# Altium PCB Beagle93.PCBDOC (part 5 of 7)
Units mm, origin at the board's own origin, x right, y up, seen from the top; angles counter-clockwise.
Board outline 86.3 x 85.3 mm, 6 copper layers (TopLayer, MidLayer1, MidLayer2, SignalLayer1, Internal Plane 1, BottomLayer), stack 1.528 mm thick; 387 components, 325 nets, 1796 pads, 884 vias.
Unrouted connection lines stored in the file: 7.
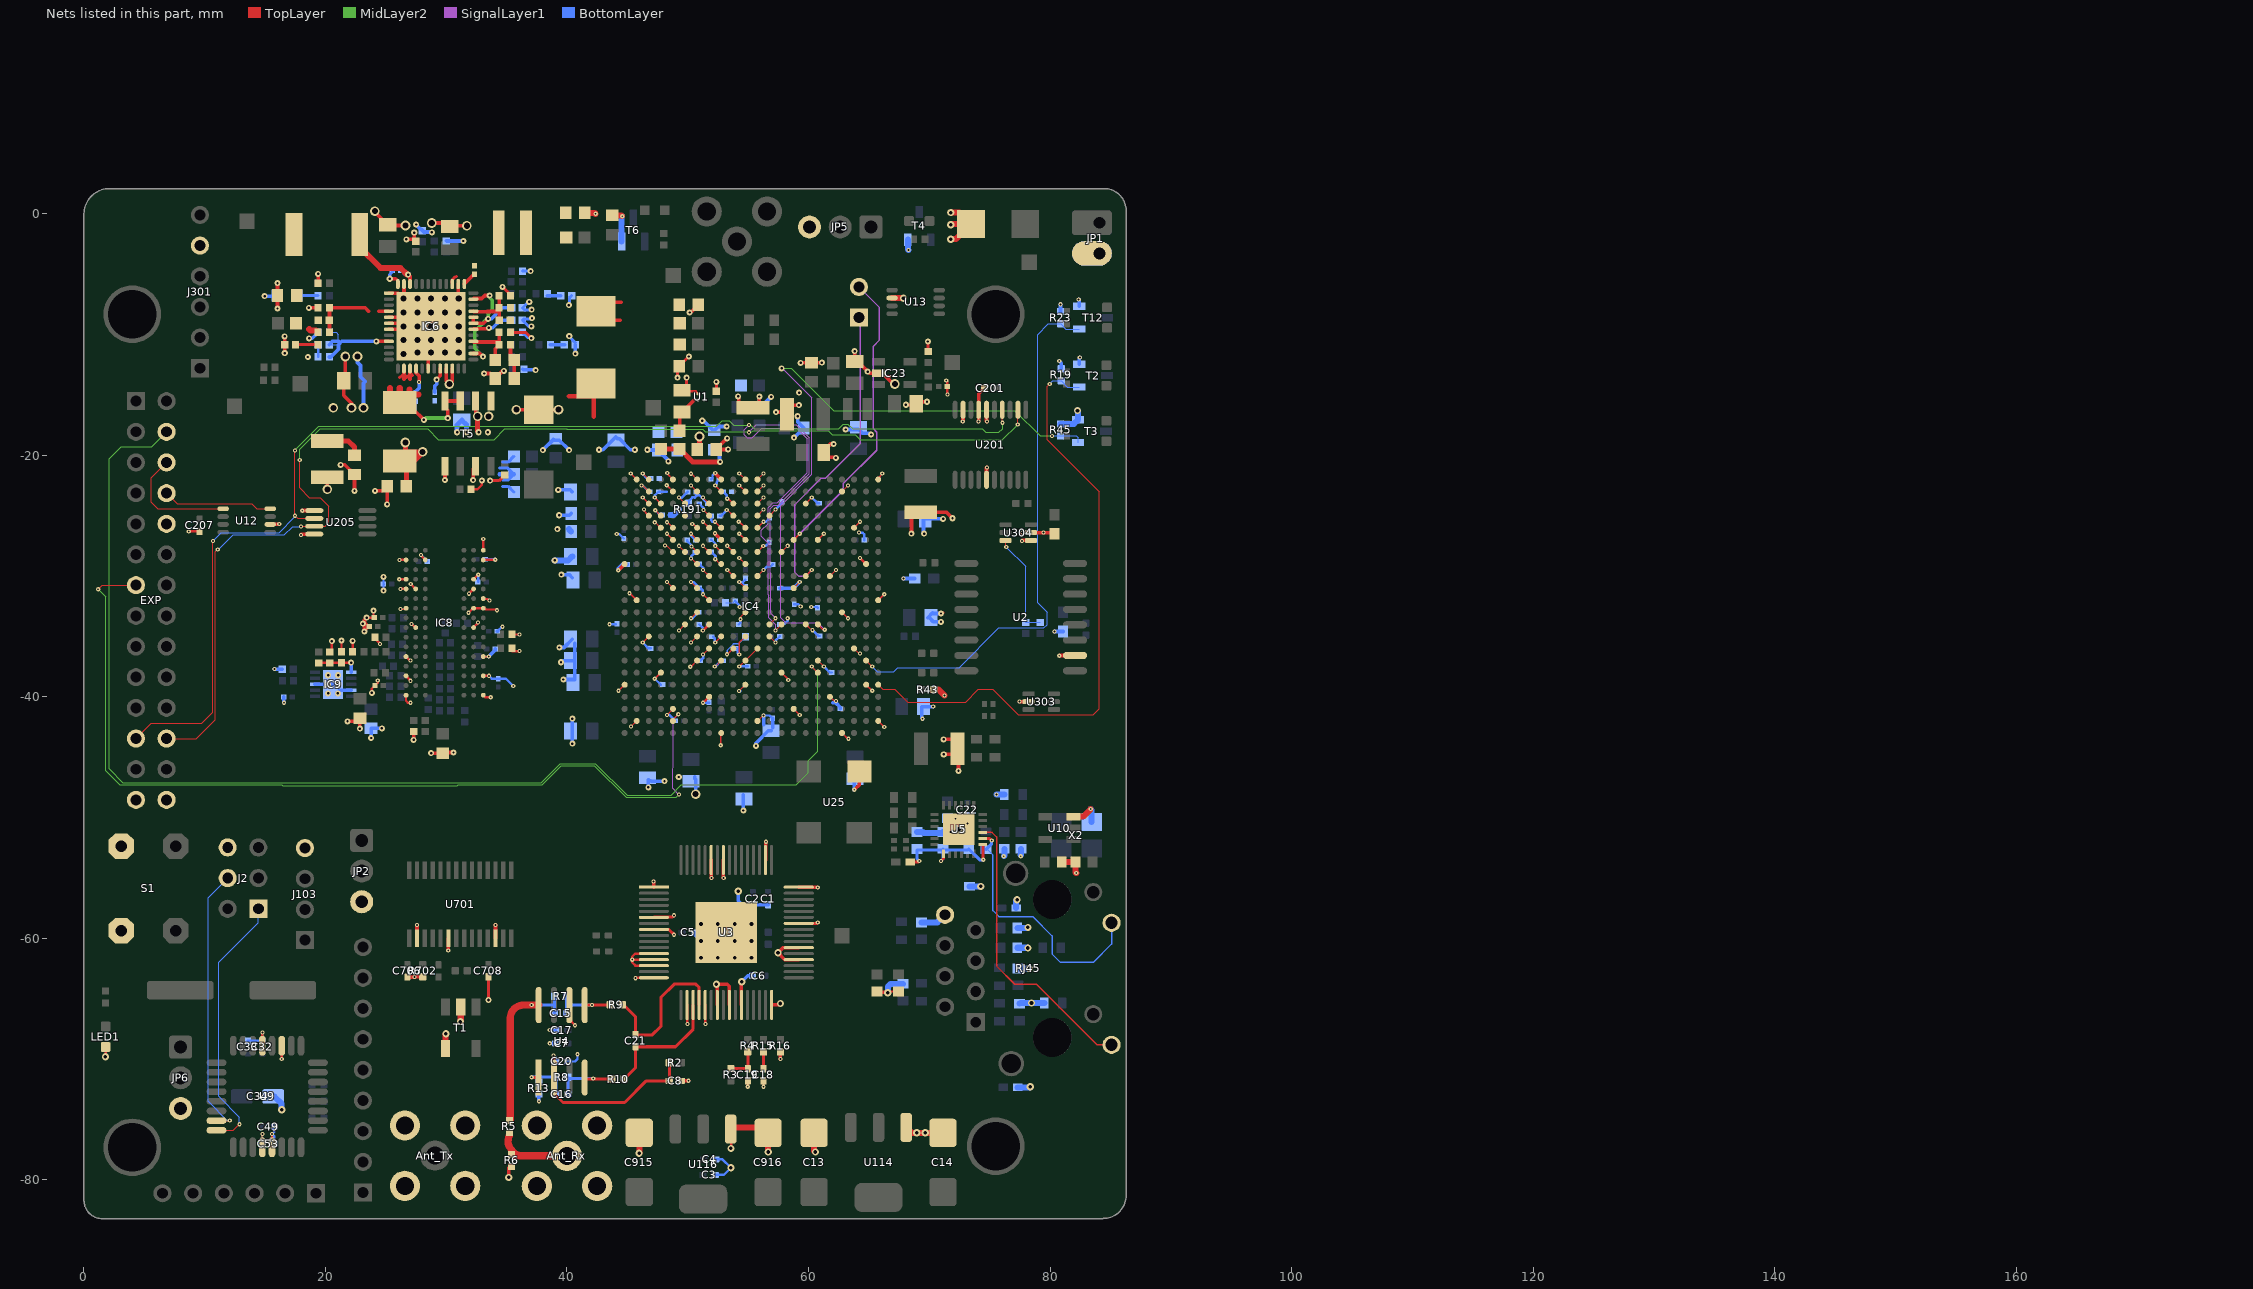
[diagram p9: the nets of this part, all layers, seen from the top]

## Via types
v1: diameter 0.35, hole 0.15, TopLayer to BottomLayer, tented both sides, 544 vias
v2: diameter 0.5, hole 0.2, TopLayer to BottomLayer, tented both sides, 183 vias
v3: diameter 0.6, hole 0.3, TopLayer to BottomLayer, tented both sides, 65 vias
v4: diameter 0.8, hole 0.5, TopLayer to BottomLayer, tented both sides, 53 vias
v5: diameter 0.8, hole 0.5, TopLayer to BottomLayer, 25 vias
v6: diameter 0.61, hole 0.305, TopLayer to BottomLayer, 12 vias
v7: diameter 0.508, hole 0.254, TopLayer to BottomLayer, 1 vias
v8: diameter 0.635, hole 0.381, TopLayer to BottomLayer, 1 vias

## Nets (pads, with @x,y where several pads share a name; then routed paths per layer and width w, separated by ;. In a path a pad name is that pad's centre, name@x,y a point inside that pad or via, vN(x,y) a via of type N, cw(c..) or ccw(c..) an arc to the next point about the centre after c; other vN are vias at no path point) (continued)
GND: Ant_Rx.2 Ant_Tx.2 C1.1 C2.1 C3.1 C4.1 C5.1 C6.1 C7.1 C8.1 C9.1 C10.1 C13.2 C14.2 C17.1 C18.1 C19.1 C20.1 C22.2 C23.1 C24.1 C25.1 C26.1 C27.1 C28.1 C29.1 C30.1 C31.1 C32.2 C33.2 C34.2 C35.1 C36.2 C37.1 C38.1 C39.1 C49.2 C52.1 C53.2 C54.1 C55.1 C56.1 C57.1 C58.1 C59.1 C60.1 C61.1 C62.1 C63.1 C64.1 C65.1 C66.1 C67.1 C68.1 C69.1 C70.1 C71.1 C72.1 C73.1 C74.1 C75.1 C76.1 C77.1 C78.1 C79.1 C80.1 C81.1 C82.1 C83.1 C84.1 C85.1 C86.1 C87.1 C88.1 C89.1 C90.1 C91.2 C92.1 C93.1 C94.1 C95.1 C96.1 C97.1 C98.1 C99.1 C100.1 C101.1 C102.1 C103.1 C104.1 C105.1 C106.1 C107.1 C108.1 C109.1 C110.1 C111.1 C112.1 C113.1 C114.1 C115.1 C116.1 C117.1 C118.1 C119.1 C120.1 C121.1 C122.1 C123.1 C124.1 C125.1 C127.1 C128.1 C129.1 C130.1 C131.1 C132.1 C133.1 C135.1 C136.1 C137.1 C138.1 C141.1 C142.1 C145.1 C146.1 C147.1 C148.1 C149.1 C152.1 C153.1 C154.1 C156.1 C157.1 C158.1 C159.1 C160.1 C161.1 C162.1 C163.1 C164.1 C165.1 C166.1 C167.1 C168.1 C169.1 C170.1 C171.1 C172.1 C173.1 C174.1 C175.1 C176.1 C177.1 C201.2 C207.1 C229.1 C230.1 C231.1 C232.1 C233.1 C235.1 C240.1 C706.1 C708.1 C915.2 C916.2 D1.2 EXP.27 EXP.28 FB8.1 FB9.1 IC4.A2 IC4.A3 IC4.A5 IC4.A7 IC4.A9 IC4.A11 IC4.A12 IC4.A22 IC4.AA2 IC4.AA12 IC4.AA22 IC4.AB9 IC4.AB19 IC4.B3 IC4.B12 IC4.B19 IC4.C3 IC4.C6 IC4.C10 IC4.C12 IC4.C16 IC4.D3 IC4.D4 IC4.D8 IC4.D12 IC4.D13 IC4.E4 IC4.E5 IC4.E7 IC4.E9 IC4.E11 IC4.E12 IC4.E20 IC4.F5 IC4.F11 IC4.F17 IC4.G5 IC4.G6 IC4.G7 IC4.G8 IC4.G9 IC4.G10 IC4.G12 IC4.G14 IC4.H1 IC4.H7 IC4.H9 IC4.H11 IC4.H21 IC4.J8 IC4.J10 IC4.J12 IC4.J18 IC4.K5 IC4.K7 IC4.K11 IC4.K15 IC4.L2 IC4.L8 IC4.L22 IC4.M7 IC4.M11 IC4.M19 IC4.N6 IC4.N8 IC4.N16 IC4.P3 IC4.P7 IC4.P9 IC4.P11 IC4.P13 IC4.R8 IC4.R10 IC4.R12 IC4.R20 IC4.T7 IC4.T9 IC4.T11 IC4.T17 IC4.U4 IC4.U14 IC4.V1 IC4.V11 IC4.V21 IC4.W8 IC4.W18 IC4.Y5 IC4.Y15 IC6.2 IC6.11 IC6.13 IC6.17 IC6.18 IC6.19 IC6.30 IC6.49 IC8.A9 IC8.B1 IC8.B3 IC8.B9 IC8.D1 IC8.D8 IC8.E1 IC8.E2 IC8.E8 IC8.F9 IC8.G1 IC8.G8 IC8.G9 IC8.J2 IC8.J8 IC8.M1 IC8.M9 IC8.P1 IC8.P9 IC8.T1 IC8.T9 IC9.4 IC9.8 IC9.11 IC23.2 J2.6 J103.4 J301.5 JP1.2 JP2.3 JP5.3 JP6.3 L5.1 LED1.K R6.2 R13.2 R16.2 R19.1 R23.1 R27.1 R32.1 R37.1 R43.1 R45.1 R49.2 R54.2 R56.2 R60.1 R65.1 R66.2 R67.1 R68.1 R72.1 R77.1 R81.1 R84.1 R85.1 R93.1 R122.1 R123.1 R124.1 R125.1 R126.1 R129.1 R702.2 RJ45.8 S1.2 T1.2 T1.6 T2.2 T3.2 T4.2 T5.1 T5.3 T6.2 T12.2 U1.A1 U2.10 U3.0 U3.1 U3.6 U3.8 U3.12 U3.13 U3.14 U3.16 U3.18 U3.21 U3.23 U3.25 U3.27 U3.32 U3.36 U3.38 U3.42 U3.48 U3.50 U3.57 U3.59 U4.6 U5.25 U9.3 U9.5 U9.21 U10.3 U12.2 U13.2 U25.2 U114.1 U116.1 U201.6 U201.7 U201.9 U201.15 U205.1 U205.4 U303.2 U304.1 U304.2 U701.16 U701.20 U701.26 X2.2 | length 448.6
  TopLayer w0.125: v1(26.21,-32.715) 26.604,-32.715 IC8.G1@26.667,-32.651 ; IC8.M9@33.067,-36.651 v1(33.517,-36.651) ; v1(44.25,-29.5) v1@44.257,-29.5 ; v1(44.272,-39.485) IC4.V1@44.772,-38.985 ; v1(45.185,-31.414) 45.201,-31.414 IC4.L2@45.772,-31.985 ; v1(45.272,-21.485) IC4.A2@45.772,-21.985 ; v1(45.311,-42.449) 45.311,-42.446 IC4.AA2@45.772,-41.985 ; v1(46.272,-35.485) IC4.P3@46.772,-34.985 ; v1@46.272,-24.485 IC4.D3@46.772,-24.985 ; v1(46.272,-23.485) IC4.C3@46.772,-23.985 ; v1@46.272,-22.485 IC4.B3@46.772,-22.985 ; v1(46.272,-21.485) IC4.A3@46.772,-21.985 ; v1(47.261,-25.539) 47.326,-25.539 IC4.E4@47.772,-25.985 ; v1(47.272,-38.485) IC4.U4@47.772,-37.985 ; v1(47.311,-24.539) 47.326,-24.539 IC4.D4@47.772,-24.985 ; v1(48.111,-27.46) 48.247,-27.46 IC4.G5@48.772,-27.985 ; v1(48.272,-41.485) IC4.Y5@48.772,-40.985 ; v1(48.272,-30.485) IC4.K5@48.772,-30.985 ; v1(48.272,-26.485) IC4.F5@48.772,-26.985 ; v1(48.272,-25.535) 48.322,-25.535 IC4.E5@48.772,-25.985 ; v1(48.3,-21.45) 48.3,-21.513 IC4.A5@48.772,-21.985 ; v1(49.272,-34.485) IC4.N6@49.772,-33.985 ; v1(49.272,-27.485) IC4.G6@49.772,-27.985 ; v1(49.272,-23.485) IC4.C6@49.772,-23.985 ; v1(50.213,-37.496) 50.261,-37.496 IC4.T7@50.772,-36.985 ; v1(50.261,-21.514) 50.301,-21.514 IC4.A7@50.772,-21.985 ; v1(50.272,-35.485) IC4.P7@50.772,-34.985 ; v1(50.272,-33.485) IC4.M7@50.772,-32.985 ; v1(50.272,-30.485) IC4.K7@50.772,-30.985 ; v1(50.275,-28.525) 50.312,-28.525 IC4.H7@50.772,-28.985 ; v1(50.311,-27.539) 50.326,-27.539 IC4.G7@50.772,-27.985 ; v1(50.372,-25.685) 50.372,-25.585 IC4.E7@50.772,-25.985 ; v1(51.272,-36.485) IC4.R8@51.772,-35.985 ; v1(51.272,-31.485) IC4.L8@51.772,-31.985 ; v1(51.272,-29.485) IC4.J8@51.772,-29.985 ; v1(51.272,-27.485) IC4.G8@51.772,-27.985 ; v1(51.312,-24.525) IC4.D8@51.772,-24.985 ; v1(52.236,-37.465) 52.292,-37.465 IC4.T9@52.772,-36.985 ; v1(52.261,-25.496) 52.75,-25.985 IC4.E9@52.772,-25.985 ; v1(52.272,-35.485) IC4.P9@52.772,-34.985 ; v1(52.272,-28.585) 52.672,-28.985 IC4.H9@52.772,-28.985 ; v1(52.272,-27.485) IC4.G9@52.772,-27.985 ; v1@52.275,-21.488 v1(52.275,-21.45) ; v1(52.728,-43.998) 52.728,-43.029 IC4.AB9@52.772,-42.985 ; v1(53.261,-36.465) 53.292,-36.465 IC4.R10@53.772,-35.985 ; v1(53.272,-29.485) IC4.J10@53.772,-29.985 ; v1(53.272,-27.485) IC4.G10@53.772,-27.985 ; v1(53.275,-23.575) 53.362,-23.575 IC4.C10@53.772,-23.985 ; v1(54.252,-39.503) 54.254,-39.503 IC4.V11@54.772,-38.985 ; v1(54.261,-36.49) 54.261,-35.496 IC4.P11@54.772,-34.985 ; v1(54.272,-37.485) IC4.T11@54.772,-36.985 IC4.R12@55.772,-35.985 ; v1(54.272,-30.485) IC4.K11@54.772,-30.985 ; v1(54.272,-28.485) IC4.H11@54.772,-28.985 ; v1(54.272,-26.485) IC4.F11@54.772,-26.985 ; v1@54.272,-25.485 IC4.E11@54.772,-25.985 ; v1(54.272,-21.485) IC4.A11@54.772,-21.985 ; v1(54.361,-33.565) 54.361,-33.446 54.336,-33.421 IC4.M11@54.772,-32.985 ; IC4.AA12@55.772,-41.985 56.222,-41.535 v1(56.284,-41.535) ; IC4.J12@55.772,-29.985 v1(56.272,-29.485) ; IC4.G12@55.772,-27.985 56.25,-27.507 v1(56.25,-27.5) ; IC4.E12@55.772,-25.985 v1(56.272,-25.485) ; IC4.D12@55.772,-24.985 v1(56.272,-24.485) ; IC4.C12@55.772,-23.985 v1(56.272,-23.485) ; IC4.B12@55.772,-22.985 v1(56.272,-22.485) ; IC4.A12@55.772,-21.985 v1(56.272,-21.485) ; IC4.P13@56.772,-34.985 v1(57.272,-35.485) ; IC4.D13@56.772,-24.985 v1(57.272,-24.485) ; IC4.U14@57.772,-37.985 58.316,-38.529 v1(58.316,-38.588) ; IC4.G14@57.772,-27.985 v1(58.272,-27.485) ; IC4.Y15@58.772,-40.985 v1(59.272,-41.485) ; IC4.K15@58.772,-30.985 v1(59.272,-30.485) ; IC4.N16@59.772,-33.985 60.252,-34.465 v1(60.336,-34.465) ; IC4.C16@59.772,-23.985 v1(60.272,-23.485) ; IC4.T17@60.772,-36.985 v1(61.272,-37.485) ; IC4.F17@60.772,-26.985 v1(61.272,-26.485) ; IC4.W18@61.772,-39.985 62.128,-40.341 v1(62.278,-40.341) ; IC4.J18@61.772,-29.985 v1(62.272,-29.485) ; IC4.AB19@62.772,-42.985 63.252,-43.465 v1(63.311,-43.465) ; IC4.M19@62.772,-32.985 v1(63.272,-33.485) ; IC4.B19@62.772,-22.985 v1(63.272,-22.485) ; IC4.R20@63.772,-35.985 64.177,-36.39 v1(64.261,-36.39) ; IC4.E20@63.772,-25.985 v1(64.272,-25.485) ; IC4.V21@64.772,-38.985 v1(65.272,-39.485) ; IC4.AA22@65.772,-41.985 v1(66.272,-42.485) ; IC4.L22@65.772,-31.985 v1(66.272,-31.485) ; IC4.A22@65.772,-21.985 65.772,-21.878 66.111,-21.539 v1(66.111,-21.485)
  TopLayer w0.2: v3(1.772,-69.785) 1.791,-69.766 LED1.K@1.791,-68.984 ; v1(8.672,-26.285) C207.1@9.572,-26.285 ; U9.5@14.772,-68.885 v1(14.772,-67.785) ; U9.21@15.572,-77.285 v1(15.572,-76.185) ; v1(16.372,-69.985) U9.3@16.372,-68.885 ; R129.1@20.35,-36.255 20.525,-36.08 v2(20.525,-35.375) ; C175.1@21.325,-36.25 v2(21.325,-35.325) ; R124.1@22.255,-36.25 v2(22.255,-35.345) ; v2(23.1,-33.925) 23.225,-33.925 23.375,-33.925 C168.1@23.625,-34.175 v2(23.225,-34.575) ; v2(23.4,-33.425) C162.1@24.025,-33.425 23.975,-33.375 v2(23.975,-32.85) ; v2(23.834,-39.665) 23.834,-39.32 24.102,-39.052 C167.1@24.1,-39.05 24.33,-38.82 v1(24.33,-38.635) v1@24.34,-38.625 ; R126.1@24.08,-35.05 24.08,-35.155 24.509,-35.584 v1(24.509,-35.615) ; v1(26.101,-30.251) IC8.D1@26.667,-30.251 ; v1(26.126,-28.651) IC8.B1@26.667,-28.651 ; v1(26.217,-31.051) IC8.E1@26.667,-31.051 ; IC8.P1@26.636,-38.22 26.631,-38.225 27.035,-38.629 v1(27.035,-38.665) ; IC8.P1@26.661,-38.245 IC8.P1@26.667,-38.251 ; IC8.T1@26.667,-39.851 26.667,-40.314 26.828,-40.475 v1(27.05,-40.475) ; IC8.M1@26.667,-36.651 26.991,-36.975 v1(27.048,-36.975) ; v1(27.066,-30.65) IC8.E2@27.467,-31.051 ; v1(27.124,-33.965) 27.133,-33.975 27.164,-33.975 27.44,-34.251 IC8.J2@27.467,-34.251 ; v1(27.91,-28.239) 27.91,-28.294 IC8.B3@28.267,-28.651 ; v3@29.93,-67.927 v3(29.972,-67.885) ; v1(31.85,-33.025) 32.224,-32.651 IC8.G8@32.267,-32.651 IC8.G9@33.067,-32.651 33.073,-32.645 33.169,-32.645 33.278,-32.754 34.15,-32.754 v1(34.21,-32.815) ; v1(31.875,-31.443) IC8.E8@32.267,-31.051 ; R49.2@32.07,-22.8 32.575,-22.8 32.95,-22.425 v2(32.95,-22.075) v2@32.875,-22.075 ; IC8.J8@32.267,-34.251 32.267,-34.229 32.635,-33.861 v1(32.635,-33.84) ; IC8.D8@32.267,-30.251 v1(32.643,-29.875) ; IC8.P9@33.067,-38.251 v1(33.549,-38.251) ; IC8.F9@33.067,-31.851 33.105,-31.889 33.419,-31.889 33.54,-32.01 v1(33.581,-32.01) ; IC8.A9@33.067,-27.851 v1(33.067,-26.908) ; IC8.B9@33.079,-28.639 v1(34.06,-28.639) ; IC8.T9@33.116,-39.9 33.231,-40.015 v1(33.685,-40.015) ; R125.1@35.445,-36.2 v1(36.075,-36.2) ; R122.1@35.445,-34.825 v1(36.075,-34.825) ; U4.6@40.196,-65.512 40.196,-66.709 v1(40.672,-67.185) ; v1(45.672,-63.285) 45.705,-63.252 U3.16@47.195,-63.252 ; U3.14@47.195,-62.252 45.669,-62.252 45.405,-61.988 v1(45.405,-61.752) ; U3.13@47.195,-61.752 v1(45.405,-61.752) ; U3.12@47.195,-61.252 45.655,-61.252 45.405,-61.502 v1(45.405,-61.752) ; C160.1@49.832,-14.694 50.652,-14.694 U1.A1@50.852,-14.894 ; U3.18@49.945,-65.502 49.945,-67.058 v1(49.972,-67.085) ; v1(51.272,-40.485) IC4.W8@51.772,-39.985 ; v1@51.272,-34.485 IC4.N8@51.772,-33.985 ; U3.21@51.445,-65.502 51.445,-67.058 v1(51.472,-67.085) ; v3(53.572,-77.385) 53.611,-77.346 U116.1@53.611,-75.648 ; v1(54.972,-72.285) C19.1@54.972,-71.785 ; C916.2@56.205,-75.648 C916.2@56.655,-76.098 ; v1(56.272,-72.285) C18.1@56.272,-71.785 ; v1(64.272,-28.485) IC4.H21@64.772,-28.985 ; C29.1@67.45,-64.389 66.668,-64.389 v3(66.572,-64.485) ; v1(71.4,-13.8) 71.5,-13.9 C232.1@71.5,-14.3 v1(71.5,-14.95) ; v3(66.572,-64.485) 66.476,-64.389 C28.1@65.672,-64.389 65.768,-64.485 v3(66.572,-64.485)
  TopLayer w0.25: v2@33.589,-22.089 v2(33.635,-22.089) 34.381,-22.089 R66.2@34.85,-21.62 ; v2(34.66,-6.038) 34.663,-6.038 35.316,-6.691 R68.1@35.316,-6.762 ; R60.1@35.316,-9.81 36.585,-9.81 v2(37.05,-10.275) ; v2(49.15,-13.55) 49.15,-12.94 49.05,-12.84 C129.1@49.286,-12.604 v2(50.09,-11.8) ; C160.1@49.832,-14.694 49.9,-14.626 v2(49.9,-13.55) ; C159.1@52.372,-14.694 v2(52.372,-13.903) ; v2(68.066,-15.8) 69.15,-15.8 69.215,-15.865 69.53,-15.55 v2(69.811,-15.55) ; v2(69.887,-10.563) 69.887,-11.361 R67.1@69.898,-11.372
  TopLayer w0.254: v7(33.495,-65.09) C708.1@33.495,-63.17 ; U3.8@47.195,-59.252 48.439,-59.252 v1(48.872,-59.685) ; U3.6@47.195,-58.252 47.195,-58.208 48.749,-58.208 v1(48.872,-58.085) ; U3.42@59.195,-58.752 60.705,-58.752 v1(60.772,-58.685)
  TopLayer w0.3: U12.2@15.422,-25.71 16.147,-25.71 v1(16.172,-25.685) ; v2(16.025,-7.825) C153.1@16.025,-6.75 v2(16.025,-5.725) ; v2(16.616,-10.134) C230.1@16.616,-10.826 16.625,-10.835 v2(16.625,-11.525) ; v1(17.972,-26.585) 18.047,-26.51 U205.4@19.072,-26.51 ; v1(18.072,-24.585) 18.097,-24.56 U205.1@19.072,-24.56 ; v2(18.628,-7.778) R84.1@19.39,-7.778 ; R81.1@19.39,-5.746 v2(19.39,-4.96) ; v4(20.15,-22.8) C147.1@20.15,-22.3 ; v2(21.25,-20.775) 21.6,-20.775 C145.1@22.4,-21.575 v2(22.4,-22.925) ; v4(21.65,-11.8) 21.65,-13.65 C130.1@21.5,-13.8 21.5,-15.025 22.15,-15.675 v4(22.15,-16.05) ; v2(21.825,-42.025) 22.575,-42.025 C176.1@22.85,-41.75 v2(22.85,-42.625) ; v2(23.225,-34.575) 23.225,-33.925 23.225,-33.6 v2@23.275,-33.55 ; v4(24.09,0.239) 24.09,0.16 C133.1@25.15,-0.9 ; v2(24.1,-22.925) 24.725,-22.925 C146.1@25.1,-22.55 v2(25.1,-24.05) ; IC6.19@25.25,-9.552 IC6.49@28.5,-9.552 ; IC6.18@25.25,-9.052 28.5,-9.052 v5(28.75,-9.302) IC6.49@28.5,-9.552 ; IC6.17@25.25,-8.552 IC6.49@28,-8.552 ; IC6.13@25.25,-6.552 IC6.49@26,-6.552 ; C133.1@25.6,-1.025 25.675,-0.95 v4(26.625,-0.95) ; IC6.49@26.5,-7.052 IC6.11@26.5,-5.802 ; v2(26.7,-2.1) 27.332,-2.1 C154.1@27.35,-2.118 ; C706.1@26.772,-63.185 v1(27.372,-63.185) 27.387,-63.17 R702.2@28.055,-63.17 ; v2(27.3,-43.55) R123.1@27.3,-42.87 ; v2(27.35,-1.55) C154.1@27.35,-2.118 ; C154.1@27.48,-2.248 C154.1@27.35,-2.118 ; v1(27.572,-58.885) 27.579,-58.892 U701.16@27.579,-59.981 ; IC6.30@28.5,-12.802 IC6.49@28.5,-9.552 ; v2(28.75,-44.65) C174.1@29.7,-44.65 29.75,-44.6 v2(30.6,-44.6) ; v4(28.8,-0.75) 29.988,-0.75 C132.1@30.274,-1.036 30.335,-0.975 v4(31.7,-0.975) ; v2(29.893,-22.032) T5.1@29.893,-20.892 ; v1(30.172,-60.985) 30.179,-60.978 U701.20@30.179,-59.981 ; IC6.49@31,-7.052 IC6.2@31,-5.802 ; v2(32.225,-22.05) 32.225,-21.1 T5.3@32.433,-20.892 ; IC8.B9@33.067,-28.651 IC8.B9@33.079,-28.639 ; v2(33.145,-13.212) 33.638,-13.212 C127.1@34.046,-13.62 ; v1@34.05,-28.649 v1(34.06,-28.639) ; C127.1@34.051,-13.625 C127.1@34.046,-13.62 ; v1(34.072,-58.885) 34.079,-58.892 U701.26@34.079,-59.981 ; C127.1@34.105,-13.62 C127.1@34.046,-13.62 ; v2@34.771,-12.979 v2(34.771,-13) 34.666,-13 C127.1@34.046,-13.62 ; v3(35.172,-79.785) R6.2@35.172,-78.985 ; v4(35.8,-16.2) C91.2@37.65,-16.2 v4(39.3,-16.2) ; v1@44.257,-29.5 IC4.H1@44.772,-28.985 ; v1(47.172,-55.285) 47.195,-55.308 U3.1@47.195,-55.752 ; C8.1@49.472,-71.785 v1(50.072,-71.785) ; v2(50.161,-8.157) 50.253,-8.157 C128.1@50.886,-7.524 ; v1@51.24,-34.515 51.25,-34.504 v1(51.25,-34.485) v1@51.272,-34.485 ; U3.59@51.945,-53.502 51.945,-54.958 v1(51.972,-54.985) ; v1@52.275,-21.488 IC4.A9@52.772,-21.985 ; U3.23@52.445,-65.502 52.445,-63.858 v3(52.372,-63.785) 53.272,-63.785 53.445,-63.958 U3.25@53.445,-65.502 ; U3.57@52.945,-53.502 52.945,-54.958 v1(52.972,-54.985) ; v2(53.261,-18.575) 53.25,-18.575 52.375,-19.45 C57.1@52.375,-19.5 v2(53.35,-19.5) ; v2(54.175,-15.1) 54.225,-15.15 C56.1@54.225,-15.725 ; U3.27@54.445,-65.502 54.445,-63.612 v3(54.472,-63.585) ; C56.1@54.65,-16.05 C56.1@55.4,-16.05 56,-16.05 55.936,-15.986 v2(55.936,-15.114) ; U3.50@56.445,-53.502 56.445,-52.012 v1(56.472,-51.985) ; U3.32@56.945,-65.502 57.555,-65.502 v3(57.672,-65.385) ; v2(57.306,-16.408) 57.667,-16.408 57.8,-16.275 58.125,-16.6 58.125,-16 58.3,-15.825 v2(59.2,-15.825) ; v1(57.672,-69.985) R16.2@57.672,-69.385 ; U3.36@59.195,-61.752 58.039,-61.752 v3(57.472,-61.185) 57.905,-60.752 U3.38@59.195,-60.752 ; U3.48@59.195,-55.752 60.739,-55.752 v1(60.772,-55.785) ; v2(59.35,-12.325) 60.233,-12.325 C233.1@60.246,-12.312 v2(61.113,-12.312) ; v2(62.075,-19.05) 61.825,-19.05 61.125,-19.75 61.525,-20.15 62.224,-20.15 v2(62.274,-20.2) ; v1(63.786,-47.69) 64.216,-47.261 U25.2@64.216,-46.163 ; v2(63.827,-11.359) C231.1@63.827,-12.212 64.062,-12.212 v2(64.9,-13.05) 65.032,-13.182 IC23.2@65.798,-13.182 66.132,-13.182 66.425,-13.475 ; 66.675,-13.475 66.425,-13.475 ; v4(67.15,-14.075) 67.025,-14.075 66.425,-13.475 ; v2(68.525,-26.475) 68.525,-24.975 68.8,-24.7 C58.1@69.3,-24.7 71.425,-24.7 v2(71.925,-25.2) ; v2(70.972,-33.085) 71.04,-33.085 v2@71.1,-33.025 ; v2(71.197,-43.503) C54.1@72.4,-43.503 ; v2(71.2,-44.75) 71.975,-44.75 C54.1@72.425,-44.3 ; v2(72.425,-46.125) C54.1@72.425,-44.3 ; C54.1@72.425,-43.575 C54.1@72.425,-44.3 ; v1(72.772,-17.185) 72.795,-17.162 U201.9@72.795,-16.212 ; v1(74.072,-17.185) 74.095,-17.162 U201.7@74.095,-16.212 74.095,-14.888 C201.2@74.57,-14.413 ; U201.15@74.745,-22.012 74.745,-21.012 v1(74.772,-20.985) ; U201.6@74.745,-16.212 74.745,-17.158 v1(74.772,-17.185) ; v1(77.472,-40.385) U303.2@78.222,-40.385 ; v1(77.672,-27.085) 77.722,-27.035 U304.1@78.422,-27.035 ; v1(77.672,-26.385) U304.2@78.422,-26.385 v1(79.452,-26.385) 80.282,-26.385 C52.1@80.372,-26.475 ; v1(80.772,-36.585) 80.797,-36.56 U2.10@82.072,-36.56
  TopLayer w0.5: T1.6@29.93,-69.115 v3@29.93,-67.927 ; v3(31.172,-66.885) 31.2,-66.857 T1.2@31.2,-65.685 ; C135.1@41.488,0.096 42.291,0.096 v1(42.372,0.015) ; C136.1@43.736,-0.12 44.507,-0.12 v1(44.572,-0.185) ; v3(45.972,-77.785) 45.987,-77.77 C915.2@45.987,-76.098 ; U116.1@53.611,-75.648 C916.2@56.205,-75.648 ; C916.2@56.655,-76.098 56.655,-77.668 v3(56.672,-77.685) ; C13.2@60.465,-76.098 60.465,-77.578 v3(60.572,-77.685) ; U13.2@66.922,-6.96 67.847,-6.96 v3(67.872,-6.985) ; U114.1@68.089,-75.648 68.539,-76.098 C14.2@71.133,-76.098 ; R43.1@70.372,-39.385 70.772,-39.385 v1(71.272,-39.885) ; v3(71.772,-2.085) 72.194,-2.085 D1.2@73.455,-0.824 ; v3(71.772,-0.885) 71.833,-0.824 D1.2@73.455,-0.824 ; v3(71.772,0.115) 72.516,0.115 D1.2@73.455,-0.824 ; C38.1@80.977,-53.656 C39.1@82.117,-53.656 82.117,-54.53 v1(82.172,-54.585) ; U10.3@81.96,-49.912 82.745,-49.912 v1(83.372,-49.285)
  BottomLayer w0.1: R56.2@53.145,-32.2 53.75,-32.2 C120.1@53.913,-32.038
  BottomLayer w0.125: v1(53.261,-36.465) 53.261,-36.139 53.788,-35.612 54.208,-35.612 R54.2@54.795,-35.025
  BottomLayer w0.2: C33.2@13.572,-68.485 C32.2@14.772,-68.485 v1(14.772,-67.785) ; C53.2@15.772,-76.985 15.772,-76.385 v1(15.572,-76.185) 15.772,-75.985 C49.2@15.772,-75.585 ; v2(24.8,-31.2) 24.8,-30.7 24.825,-30.675 C169.1@24.8,-30.65 v2(24.8,-30.05) ; v1(27.91,-28.239) 27.91,-28.242 C164.1@28.439,-28.771 ; C165.1@32.643,-30.457 v1(32.643,-29.875) ; C166.1@33.225,-28.6 v1@34.021,-28.6 ; v1(33.549,-38.251) 33.773,-38.475 C171.1@34.3,-38.475 34.925,-38.475 v1(35.55,-39.1) ; C170.1@34.25,-34.55 v1@34.61,-34.19 ; v1(38.572,-68.685) C7.1@39.072,-68.685 ; v1(38.572,-67.585) C17.1@39.072,-67.585 ; C20.1@40.072,-70.185 40.672,-70.185 40.872,-69.985 v1(40.872,-69.585) ; v1(43.525,-33.975) 43.535,-33.985 44.035,-33.985 C84.1@44.05,-34 ; v1(44.125,-26.5) 44.325,-26.5 C64.1@44.7,-26.875 ; v1(46.272,-35.485) 46.762,-35.975 C88.1@46.925,-35.975 ; v1@46.272,-22.485 46.787,-23 C115.1@46.875,-23 ; v1(46.272,-21.485) 46.272,-21.547 46.625,-21.9 C113.1@46.925,-21.9 ; v1(47.272,-38.485) C90.1@47.762,-38.975 ; v1(47.311,-24.539) 47.706,-24.935 C125.1@47.872,-24.935 ; v1(48.272,-41.485) 48.485,-41.485 C74.1@48.975,-41.975 ; v1(49.272,-23.485) 49.523,-23.485 C116.1@49.99,-23.018 ; C123.1@49.95,-27 49.95,-27.075 50.311,-27.436 v1(50.311,-27.539) ; v1(50.272,-33.485) 50.397,-33.485 C105.1@50.9,-32.982 ; v1(50.272,-30.485) 50.485,-30.485 C102.1@50.975,-30.975 ; v1(50.275,-28.525) 50.275,-28.375 C83.1@50.625,-28.025 ; C106.1@50.95,-34 51.25,-34.3 v1(51.25,-34.485) ; C97.1@50.95,-24 51.312,-24.362 v1(51.312,-24.525) ; C95.1@50.975,-29 51.272,-29.297 v1(51.272,-29.485) ; C102.1@51.046,-30.975 51.225,-31.154 51.225,-31.438 v1(51.272,-31.485) ; C108.1@51.05,-37 51.272,-36.778 v1(51.272,-36.485) ; v1@51.305,-40.493 51.323,-40.475 C62.1@51.772,-40.475 ; C112.1@51.925,-21.975 51.95,-21.975 52.05,-21.875 52.05,-21.65 v1@52.15,-21.55 ; C100.1@51.95,-26.975 52.272,-27.297 v1(52.272,-27.485) ; C124.1@51.95,-25 51.95,-25.383 52.063,-25.496 v1(52.261,-25.496) ; C104.1@51.951,-27.996 52.336,-28.381 52.272,-28.445 v1(52.272,-28.585) ; C103.1@52.098,-35.007 52.25,-35.159 52.25,-35.463 v1(52.272,-35.485) ; v1(52.236,-37.465) 52.292,-37.465 52.757,-37 C107.1@52.925,-37 ; C3.1@52.321,-79.564 52.993,-79.564 v3(53.572,-78.985) 52.881,-78.294 C4.1@52.321,-78.294 ; C114.1@52.925,-23 53.246,-23.321 53.246,-23.546 v1(53.275,-23.575) ; C120.1@53.913,-32.038 54.3,-32.425 v1@54.3,-32.525 ; C98.1@54.054,-35.972 54.079,-35.972 54.129,-36.022 54.129,-36.344 54.261,-36.476 v1(54.261,-36.49) ; C99.1@54.225,-34 54.35,-33.875 v1@54.35,-33.543 ; v1(54.272,-37.485) 54.307,-37.45 C65.1@54.975,-37.45 ; v1(54.272,-30.485) v1@54.435,-30.485 ; C121.1@54.775,-30.275 54.565,-30.485 v1@54.435,-30.485 ; C122.1@54.8,-30.85 v1@54.435,-30.485 ; v1(56.25,-27.5) 56.45,-27.5 C117.1@56.75,-27.2 ; v1(56.272,-29.485) 56.557,-29.2 56.85,-29.2 C69.1@57.025,-29.025 ; v1(56.272,-25.485) 56.465,-25.485 C73.1@56.775,-25.175 ; v1(56.284,-41.535) 56.785,-41.535 C63.1@57.025,-41.775 ; v1(57.272,-35.485) 57.272,-35.328 C118.1@57.625,-34.975 ; v1(57.272,-24.485) C61.1@57.8,-23.957 ; C119.1@57.6,-33.925 58.032,-33.925 58.272,-33.685 v1(58.272,-33.485) ; C79.1@58.825,-32.325 59.175,-32.325 v1(59.35,-32.5) ; v1(60.225,-32.55) 60.7,-32.55 C70.1@60.75,-32.6 ; v1(60.272,-23.485) 60.737,-23.95 C68.1@60.875,-23.95 ; v1(60.336,-34.465) 60.822,-34.95 C78.1@60.925,-34.95 ; v1(61.272,-37.485) 61.762,-37.975 C75.1@61.925,-37.975 ; v1(64.172,-26.385) 64.472,-26.385 64.61,-26.523 C89.1@64.61,-27.01